# Altium PCB LimeSDR-X3_1v2.PcbDoc (part 12 of 25)
Units mm, origin at the board's own origin, x right, y up, seen from the top; angles counter-clockwise.
Board outline 232.5 x 111.15 mm, 12 copper layers (Top, L2, L3, L4, L5, L6, L7, L8, L9, L10, L11, Bottom), stack 1.596 mm thick; 2084 components, 1388 nets, 8919 pads, 3667 vias.
Unrouted connection lines stored in the file: 1.
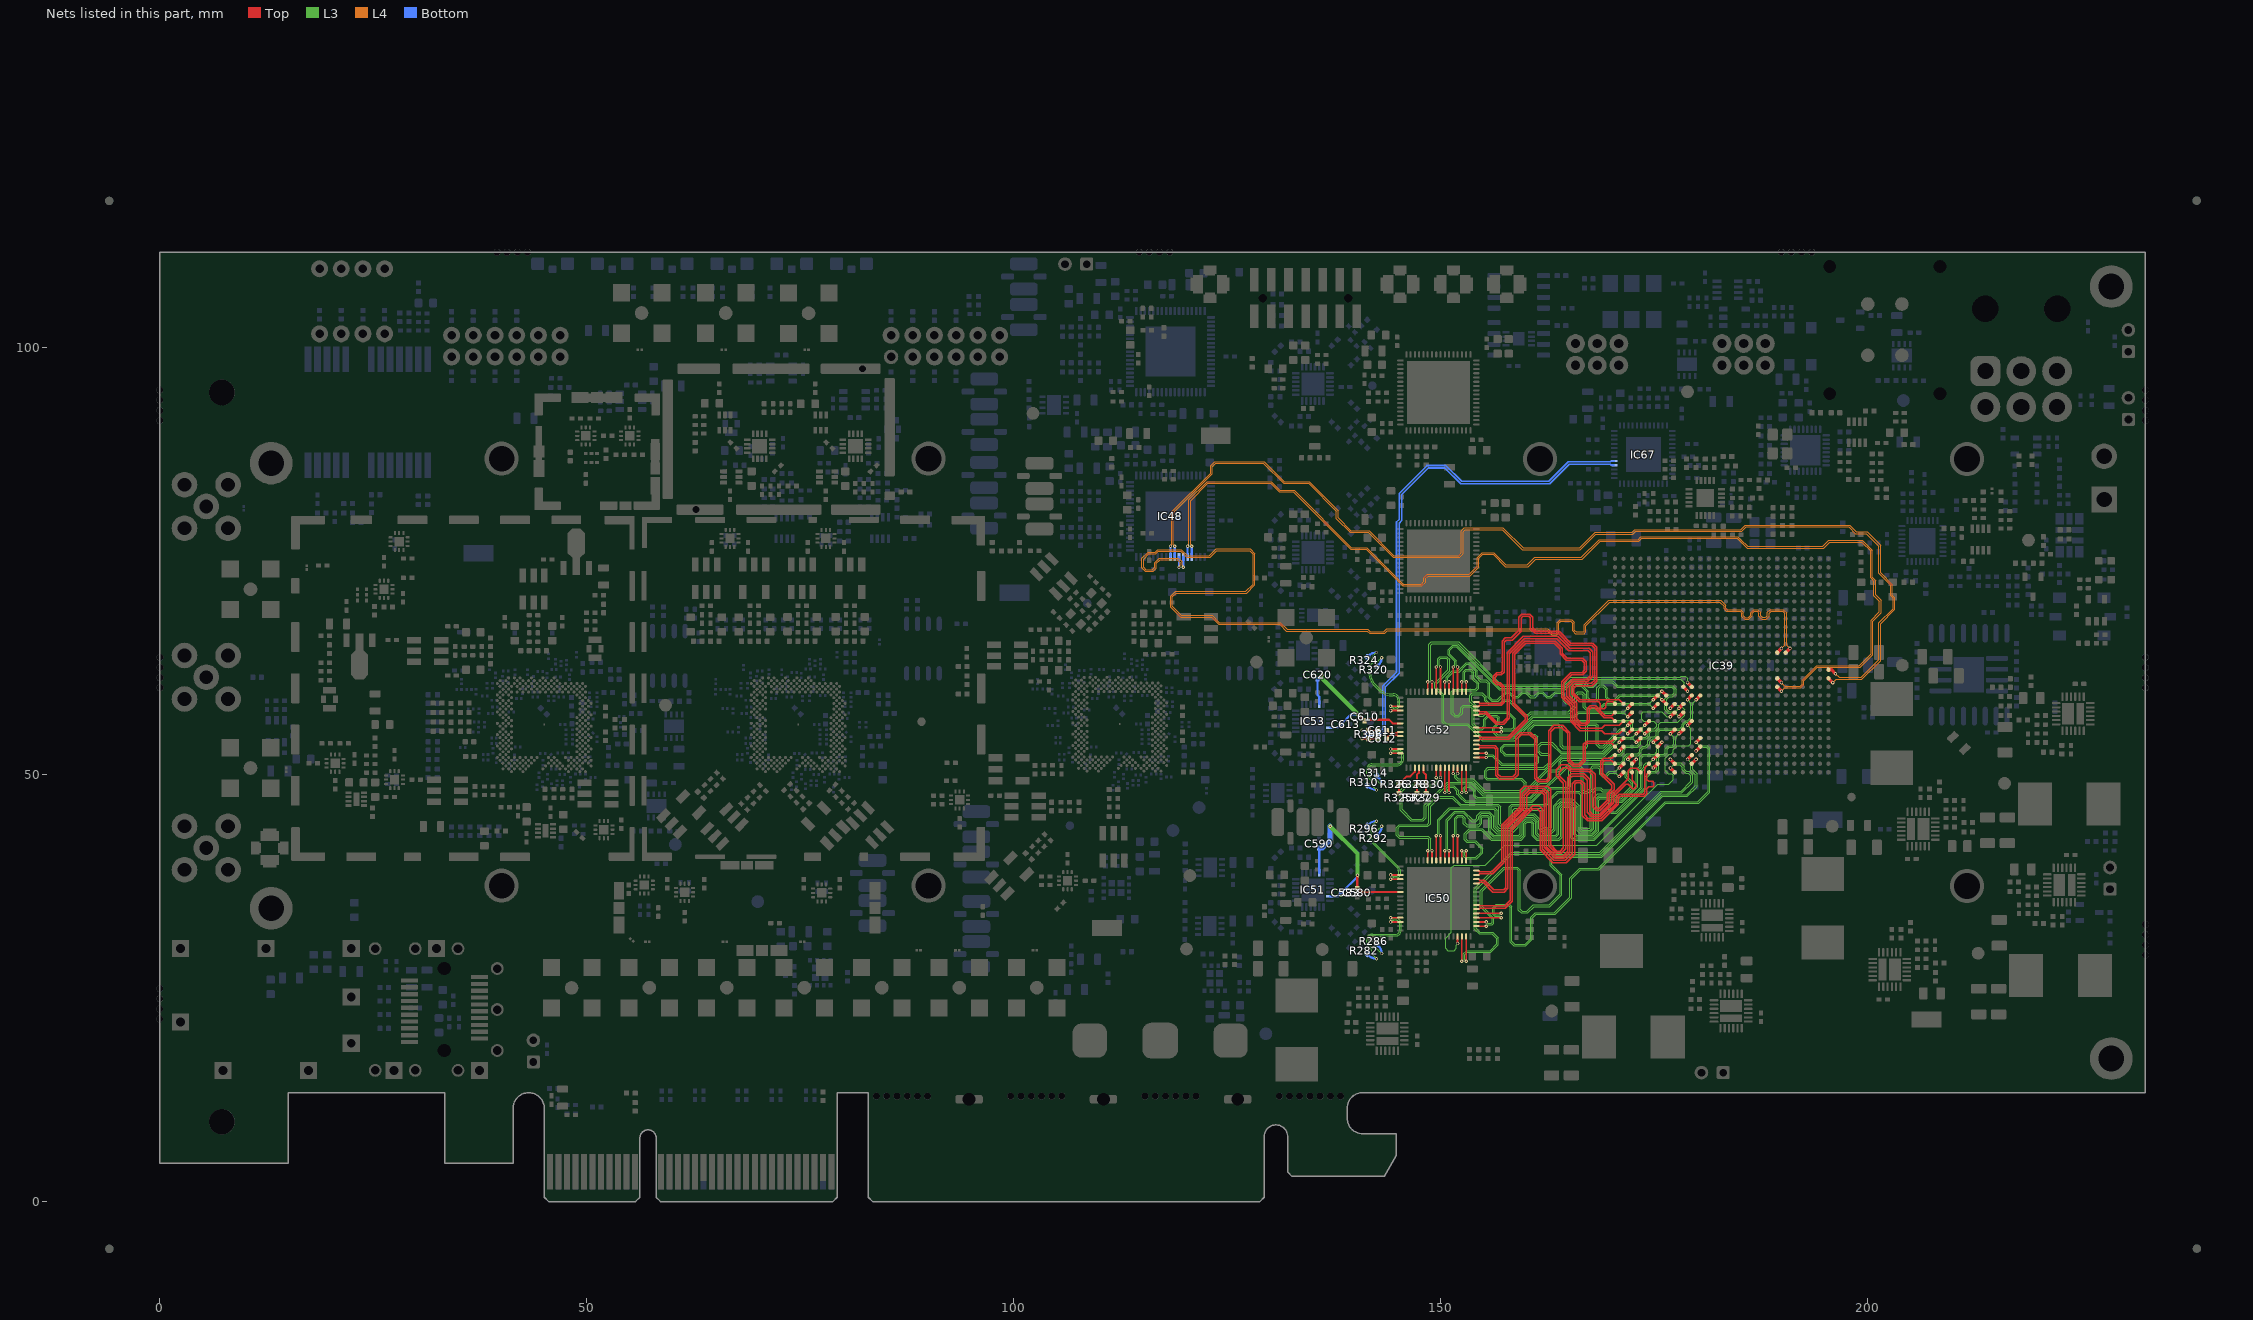
[diagram p22: the nets of this part, all layers, seen from the top]

## Via types
v1: diameter 0.4, hole 0.2, Top to Bottom, tented both sides, 3084 vias
v2: diameter 0.35, hole 0.2, Top to Bottom, tented both sides, 272 vias
v3: diameter 0.5, hole 0.2, Top to Bottom, tented bottom, 196 vias
v4: diameter 0.5, hole 0.2, Top to Bottom, tented both sides, 102 vias
v5: diameter 0.8, hole 0.4, Top to Bottom, tented both sides, 12 vias
v6: diameter 0.6, hole 0.3, Top to Bottom, tented both sides, 1 vias

## Nets (pads, with @x,y where several pads share a name; then routed paths per layer and width w, separated by ;. In a path a pad name is that pad's centre, name@x,y a point inside that pad or via, vN(x,y) a via of type N, cw(c..) or ccw(c..) an arc to the next point about the centre after c; other vN are vias at no path point) (continued)
LMS2_BB_ADC1_DA2_P: IC39.G17 IC50.45 | length 53
  Top w0.2: v1(151.95,30.225) IC50.45@151.95,31.05
  Top w0.4: v1(178.875,55.775) IC39.G17@179.375,56.275
  L3 w0.1: v1(151.95,30.225) 151.95,30.196 151.8,30.046 151.8,29.642 151.558,29.4 150.792,29.4 150.55,29.642 150.55,30.858 151.225,31.533 151.225,39.075 151.55,39.4 155.166,39.4 157.466,41.7 168.242,41.7 175.392,48.85 176.7,48.85 177.225,49.375 177.225,49.92 177.02,50.125 176.592,50.125 176.25,50.467 176.25,51.928 176.724,52.401 176.996,52.401 177.225,52.63 177.225,52.903 177.697,53.375 179.025,53.375 179.275,53.625 179.275,55.375 v1(178.875,55.775)
LMS2_BB_ADC1_DA3_N: IC39.A19 IC50.46 | length 51.9
  Top w0.2: v1(152.45,28.15) IC50.46@152.45,31.05
  Top w0.4: v1(176.875,50.775) IC39.A19@177.375,50.275
  L3 w0.1: v1(152.45,28.15) 152.45,28.179 152.6,28.329 152.6,29.008 152.992,29.4 155.75,29.4 156.525,30.175 156.525,30.792 155.967,31.35 154.475,31.35 153.925,31.9 153.925,36.608 158.217,40.9 168.595,40.9 175.745,48.05 178.125,48.05 179.275,49.2 179.275,49.875 178.975,50.175 178.65,50.175 178.275,50.55 178.275,50.875 177.975,51.175 177.275,51.175 v1(176.875,50.775)
LMS2_BB_ADC1_DA3_P: IC39.B19 IC50.47 | length 52.2
  Top w0.2: v1(152.95,28.15) IC50.47@152.95,31.05
  Top w0.4: v1(176.875,51.775) IC39.B19@177.375,51.275
  L3 w0.1: v1(152.95,28.15) 152.95,28.179 152.8,28.329 152.8,28.925 153.075,29.2 155.833,29.2 156.725,30.092 156.725,30.875 156.05,31.55 154.558,31.55 154.125,31.983 154.125,36.525 158.3,40.7 168.678,40.7 175.828,47.85 178.208,47.85 179.475,49.117 179.475,49.958 179.058,50.375 178.733,50.375 178.475,50.633 178.475,50.958 178.058,51.375 177.275,51.375 v1(176.875,51.775)
LMS2_BB_ADC1_DA4_N: IC39.B17 IC50.50 | length 52
  Top w0.2: IC50.50@154.15,32.25 v1(155.3,32.25)
  Top w0.4: IC39.B17@179.375,51.275 v1(179.875,51.775)
  L3 w0.1: v1(155.3,32.25) 155.329,32.25 155.479,32.4 155.983,32.4 156.2,32.617 156.2,33.208 154.825,34.583 154.825,36.325 157.45,38.95 158.85,38.95 159.075,38.725 159.075,34.142 159.417,33.8 160.158,33.8 160.908,34.55 162.758,34.55 164.15,35.942 164.15,38.283 163,39.433 163,40.025 163.275,40.3 168.844,40.3 175.994,47.45 178.858,47.45 180,48.592 180,50.083 179.475,50.608 179.475,51.375 v1(179.875,51.775)
LMS2_BB_ADC1_DA4_P: IC39.C17 IC50.51 | length 51.6
  Top w0.2: IC50.51@154.15,32.75 v1(155.3,32.75)
  Top w0.4: v1(178.875,51.775) IC39.C17@179.375,52.275
  L3 w0.1: v1(155.3,32.75) 155.329,32.75 155.479,32.6 155.9,32.6 156,32.7 156,33.125 155.225,33.9 154.625,34.5 154.625,36.408 157.367,39.15 158.933,39.15 159.275,38.808 159.275,34.225 159.5,34 160.075,34 160.825,34.75 162.675,34.75 163.95,36.025 163.95,38.2 162.8,39.35 162.8,40.108 163.192,40.5 168.761,40.5 175.911,47.65 178.775,47.65 179.8,48.675 179.8,50 179.275,50.525 179.275,51.375 v1(178.875,51.775)
LMS2_BB_ADC1_DA5_N: IC39.D16 IC50.52 | length 52
  Top w0.2: IC50.52@154.15,33.25 v1(157.05,33.25)
  Top w0.4: v1(179.875,52.775) IC39.D16@180.375,53.275
  L3 w0.1: v1(157.05,33.25) 157.021,33.25 156.871,33.4 156.3,33.4 156.05,33.65 156.05,34.3 156.05,34.408 156.467,34.825 158.033,34.825 158.317,34.541 158.317,30.458 158.625,30.15 159.85,30.15 160.5,30.8 160.5,33.275 161.05,33.825 163.275,33.825 165.1,35.65 165.1,37.883 166.258,39.041 168.433,39.041 176.242,46.85 180.1,46.85 181.275,48.025 181.275,52.975 181.075,53.175 180.275,53.175 v1(179.875,52.775)
LMS2_BB_ADC1_DA5_P: IC39.E16 IC50.53 | length 52
  Top w0.2: IC50.53@154.15,33.75 v1(157.05,33.75)
  Top w0.4: v1(179.875,53.775) IC39.E16@180.375,54.275
  L3 w0.1: v1(157.05,33.75) 157.021,33.75 156.871,33.6 156.383,33.6 156.25,33.733 156.25,34.325 156.55,34.625 157.95,34.625 158.117,34.458 158.117,30.375 158.542,29.95 159.933,29.95 160.7,30.717 160.7,33.192 161.133,33.625 163.358,33.625 165.3,35.567 165.3,37.8 166.341,38.841 168.516,38.841 176.325,46.65 180.183,46.65 181.475,47.942 181.475,53.058 181.416,53.116 181.158,53.375 180.275,53.375 v1(179.875,53.775)
LMS2_BB_ADC1_DA6_N: IC39.A22 IC50.54 | length 53.1
  Top w0.15: IC50.54@154.15,34.25 154.413,34.25 154.538,34.375 157.554,34.375 158.35,35.171 158.35,43.55 160.775,45.975 161.3,45.975 161.6,45.675 161.6,41.196 163.096,39.7 164.654,39.7 165.65,40.696 165.65,48.85 165.85,49.05 166.325,49.05 166.575,48.8 166.575,45.196 167.171,44.6 167.18,44.6 167.205,44.575 168.825,44.575 170.75,46.5 170.75,47.2 171,47.45 173.795,47.45 174.125,47.78 174.125,48.35 174.325,48.55 174.775,48.55 174.925,48.7 174.925,49.05 174.775,49.2 174.325,49.2 174.125,49.4 174.125,50.012 174.375,50.262 IC39.A22@174.375,50.275
LMS2_BB_ADC1_DA6_P: IC39.B22 IC50.55 | length 52.8
  Top w0.15: IC50.55@154.15,34.75 154.413,34.75 154.538,34.625 157.45,34.625 158.1,35.275 158.1,43.654 160.771,46.325 161.516,46.325 161.85,45.991 161.85,41.3 163.2,39.95 164.55,39.95 165.4,40.8 165.4,48.954 165.746,49.3 166.429,49.3 166.825,48.904 166.825,45.3 167.275,44.85 167.284,44.85 167.309,44.825 168.721,44.825 170.5,46.604 170.5,47.304 170.896,47.7 173.691,47.7 173.875,47.884 173.875,50.775 IC39.B22@174.375,51.275
LMS2_BB_ADC1_DB0_N: IC39.A24 IC50.60 | length 53.4
  Top w0.15: IC50.60@154.15,37.25 154.413,37.25 154.538,37.375 154.95,37.375 156.075,36.25 157.429,36.25 157.85,36.671 157.85,43.757 160.025,45.932 160.025,47.5 160.375,47.85 161.875,47.85 162.1,47.625 162.1,41.471 163.371,40.2 164.379,40.2 165.1,40.921 165.1,49.55 165.373,49.823 166.677,49.823 167.15,49.35 167.15,45.582 167.657,45.075 168.618,45.075 170.225,46.682 170.225,47.471 171.633,48.879 171.915,48.879 172.434,48.361 172.646,48.361 172.893,48.608 172.893,48.82 172.375,49.339 IC39.A24@172.375,50.275
LMS2_BB_ADC1_DB0_P: IC39.A23 IC50.61 | length 53
  Top w0.15: IC50.61@154.15,37.75 154.413,37.75 154.538,37.625 155.054,37.625 156.179,36.5 157.325,36.5 157.6,36.775 157.6,43.861 159.775,46.036 159.775,47.604 160.271,48.1 161.979,48.1 162.35,47.729 162.35,41.575 163.475,40.45 164.275,40.45 164.85,41.025 164.85,49.654 165.27,50.073 166.78,50.073 167.4,49.454 167.4,45.686 167.761,45.325 168.514,45.325 169.975,46.786 169.975,47.575 171.925,49.525 171.925,50.426 172.224,50.725 172.925,50.725 IC39.A23@173.375,50.275
LMS2_BB_ADC1_DB1_N: IC39.B26 IC50.62 | length 52.2
  Top w0.15: IC50.62@154.15,38.25 154.413,38.25 154.538,38.375 156.075,38.375 157.35,39.65 157.35,43.964 159.525,46.139 159.525,47.75 160.175,48.4 162.05,48.4 162.6,47.85 162.6,41.679 163.479,40.8 164.096,40.8 164.6,41.304 164.6,49.091 163.85,49.841 163.85,50.3 164.35,50.8 164.811,50.8 165.211,50.4 167.321,50.4 167.8,49.921 167.8,46.225 168.25,45.775 168.611,45.775 169.725,46.889 169.725,47.679 170.275,48.229 170.275,48.845 168.975,50.145 168.975,51.475 169.15,51.65 170,51.65 IC39.B26@170.375,51.275
LMS2_BB_ADC1_DB1_P: IC39.C26 IC50.63 | length 52.9
  Top w0.15: IC50.63@154.15,38.75 154.413,38.75 154.538,38.625 155.925,38.625 157.1,39.8 157.1,44.068 159.275,46.243 159.275,48.154 159.771,48.65 162.479,48.65 162.85,48.279 162.85,41.782 163.582,41.05 163.993,41.05 164.35,41.407 164.35,48.987 163.475,49.862 163.475,50.554 164.096,51.175 164.79,51.175 165.315,50.65 166.796,50.65 167.425,50.65 168.05,50.025 168.05,46.329 168.354,46.025 168.507,46.025 169.475,46.993 169.475,47.782 170.025,48.332 170.025,48.741 168.725,50.041 168.725,51.579 169.046,51.9 170,51.9 IC39.C26@170.375,52.275
LMS2_BB_ADC1_DB2_N: IC39.F19 IC50.2 | length 51.7
  Top w0.2: IC50.2@152.95,39.95 v1(152.95,41.1)
  Top w0.4: v1(176.875,54.775) IC39.F19@177.375,55.275
  L3 w0.1: v1(152.95,41.1) 152.95,41.071 152.8,40.921 152.8,40.55 153.025,40.325 154.092,40.325 154.7,40.933 154.7,41.317 153.967,42.05 153.05,42.05 152.75,42.35 152.75,43.1 153.325,43.675 154.825,43.675 156,42.5 159.292,42.5 159.7,42.908 159.7,44.325 160,44.625 160.575,44.625 160.875,44.325 160.875,42.925 161.3,42.5 163.742,42.5 164,42.758 164,46.034 164.329,46.363 165.02,46.363 165.375,46.008 165.375,42.7 165.575,42.5 167.893,42.5 173.869,48.477 173.869,49.677 174.592,50.4 175.075,50.4 175.275,50.6 175.275,52.033 175.642,52.4 176.1,52.4 176.275,52.575 176.275,53.033 176.642,53.4 177.075,53.4 177.275,53.6 177.275,54.375 v1(176.875,54.775)
LMS2_BB_ADC1_DB2_P: IC39.F18 IC50.3 | length 52.4
  Top w0.2: IC50.3@152.45,39.95 v1(152.45,41.1)
  Top w0.4: v1(177.875,54.775) IC39.F18@178.375,55.275
  L3 w0.1: v1(152.45,41.1) 152.45,41.071 152.6,40.921 152.6,40.699 152.6,40.467 152.942,40.125 154.175,40.125 154.9,40.85 154.9,41.4 154.05,42.25 153.133,42.25 152.95,42.433 152.95,43.017 153.408,43.475 154.742,43.475 155.917,42.3 159.375,42.3 159.9,42.825 159.9,44.242 160.083,44.425 160.492,44.425 160.675,44.242 160.675,42.842 161.217,42.3 163.825,42.3 164.2,42.675 164.2,45.951 164.412,46.163 164.937,46.163 165.175,45.925 165.175,42.617 165.492,42.3 165.909,42.3 167.976,42.3 174.069,48.394 174.069,49.594 174.675,50.2 175.158,50.2 175.475,50.517 175.475,51.95 175.725,52.2 176.183,52.2 176.475,52.492 176.475,52.95 176.725,53.2 177.158,53.2 177.475,53.517 177.475,54.375 v1(177.875,54.775)
LMS2_BB_ADC1_DB3_N: IC39.B21 IC50.4 | length 51.9
  Top w0.2: IC50.4@151.95,39.95 v1(151.95,42.85)
  Top w0.4: v1(174.875,50.775) IC39.B21@175.375,51.275
  L3 w0.1: v1(151.95,42.85) 151.95,42.879 151.8,43.029 151.8,44.825 152.025,45.05 152.407,45.05 152.625,44.832 152.625,44.267 152.992,43.9 154.408,43.9 154.8,44.292 154.8,44.925 154.925,45.05 155.425,45.05 155.575,44.9 155.575,43.242 156.117,42.7 159.209,42.7 159.5,42.991 159.5,44.408 159.917,44.825 160.658,44.825 161.075,44.408 161.075,43.042 161.417,42.7 163.51,42.7 163.8,42.99 163.8,46.117 164.246,46.563 165.102,46.563 165.575,46.091 165.575,42.942 165.817,42.7 167.81,42.7 168.5,43.39 168.5,47.025 168.625,47.15 169.475,47.15 169.625,47 169.625,45.742 169.917,45.45 170.56,45.45 173.575,48.465 173.575,50.401 173.975,50.801 173.975,51.017 174.133,51.175 174.475,51.175 v1(174.875,50.775)
LMS2_BB_ADC1_DB3_P: IC39.C21 IC50.5 | length 52.2
  Top w0.2: IC50.5@151.45,39.95 v1(151.45,42.85)
  Top w0.4: v1(174.875,51.775) IC39.C21@175.375,52.275
  L3 w0.1: v1(151.45,42.85) 151.45,42.879 151.6,43.029 151.6,43.334 151.6,44.908 151.942,45.25 152.49,45.25 152.825,44.915 152.825,44.35 153.075,44.1 154.325,44.1 154.6,44.375 154.6,45.008 154.842,45.25 155.508,45.25 155.775,44.983 155.775,43.325 156.2,42.9 159.126,42.9 159.3,43.074 159.3,44.491 159.834,45.025 160.741,45.025 161.275,44.491 161.275,43.125 161.5,42.9 163.427,42.9 163.6,43.073 163.6,46.2 164.163,46.763 165.185,46.763 165.775,46.174 165.775,43.025 165.9,42.9 167.727,42.9 168.3,43.473 168.3,47.108 168.542,47.35 169.558,47.35 169.825,47.083 169.825,45.825 170,45.65 170.477,45.65 173.375,48.548 173.375,50.484 173.775,50.884 173.775,51.1 174.05,51.375 174.475,51.375 v1(174.875,51.775)
LMS2_BB_ADC1_DB4_N: IC39.D21 IC50.6 | length 52.2
  Top w0.2: IC50.6@150.95,39.95 v1(150.95,41.1)
  Top w0.4: IC39.D21@175.375,53.275 v1(175.875,53.775)
  L3 w0.1: v1(150.95,41.1) 150.95,41.129 150.8,41.279 150.8,44.625 151.7,45.525 152.6,45.525 153.625,44.5 154.075,44.5 154.4,44.825 154.4,45.091 154.759,45.45 155.591,45.45 155.975,45.066 155.975,43.675 156.55,43.1 158.275,43.1 159.025,43.85 159.025,44.499 159.751,45.225 160.824,45.225 161.475,44.574 161.475,43.65 162.025,43.1 162.933,43.1 163.4,43.567 163.4,46.283 164.08,46.963 165.268,46.963 165.975,46.256 165.975,43.442 166.317,43.1 167.644,43.1 168.1,43.556 168.1,47.191 168.459,47.55 169.641,47.55 170.441,46.75 171.258,46.75 173.061,48.553 173.061,50.453 173.475,50.867 173.475,51.517 173.475,51.942 173.733,52.2 174.983,52.2 175.108,52.2 175.475,52.567 175.475,53.375 v1(175.875,53.775)
LMS2_BB_ADC1_DB4_P: IC39.E21 IC50.7 | length 52.2
  Top w0.2: IC50.7@150.45,39.95 v1(150.45,41.1)
  Top w0.4: v1(174.875,53.775) IC39.E21@175.375,54.275
  L3 w0.1: v1(150.45,41.1) 150.45,41.129 150.6,41.279 150.6,41.584 150.6,44.708 151.617,45.725 152.683,45.725 153.708,44.7 153.992,44.7 154.2,44.908 154.2,45.174 154.676,45.65 155.674,45.65 156.175,45.149 156.175,43.758 156.633,43.3 158.192,43.3 158.825,43.933 158.825,44.581 159.669,45.425 160.906,45.425 161.675,44.656 161.675,43.733 162.108,43.3 162.85,43.3 163.2,43.65 163.2,46.366 163.998,47.163 165.351,47.163 166.175,46.339 166.175,43.525 166.4,43.3 167.562,43.3 167.9,43.638 167.9,47.274 168.376,47.75 169.724,47.75 170.524,46.95 171.175,46.95 172.861,48.636 172.861,50.536 173.275,50.95 173.275,52.025 173.65,52.4 175.025,52.4 175.275,52.65 175.275,53.375 v1(174.875,53.775)
LMS2_BB_ADC1_DB5_N: IC39.B24 IC50.8 | length 51.9
  Top w0.2: IC50.8@149.95,39.95 v1(149.95,42.85)
  Top w0.4: IC39.B24@172.375,51.275 v1(172.875,51.775)
  L3 w0.1: v1(149.95,42.85) 149.95,42.879 149.8,43.029 149.8,44.65 151.075,45.925 156.2,45.925 156.375,45.75 156.375,43.867 156.742,43.5 158.109,43.5 158.625,44.016 158.625,45.725 158.75,45.85 161.675,45.85 161.875,45.65 161.875,43.892 162.217,43.55 162.733,43.55 163,43.817 163,47.15 163.725,47.875 166.1,47.875 166.375,47.6 166.375,43.676 166.551,43.5 167.479,43.5 167.7,43.721 167.7,47.775 168.175,48.25 168.642,48.25 168.892,48 169.756,48 170.606,47.15 171.092,47.15 172.475,48.533 172.475,49.083 171.775,49.783 171.775,49.967 172.475,50.667 172.475,51.375 v1(172.875,51.775)
LMS2_BB_ADC1_DB5_P: IC39.C24 IC50.9 | length 51.9
  Top w0.2: IC50.9@149.45,39.95 v1(149.45,42.85)
  Top w0.4: v1(171.875,51.775) IC39.C24@172.375,52.275
  L3 w0.1: v1(149.45,42.85) 149.45,42.879 149.6,43.029 149.6,43.251 149.6,44.733 150.992,46.125 156.283,46.125 156.575,45.833 156.575,43.95 156.825,43.7 158.026,43.7 158.425,44.099 158.425,45.808 158.667,46.05 161.758,46.05 162.075,45.733 162.075,43.975 162.3,43.75 162.65,43.75 162.8,43.9 162.8,47.233 163.642,48.075 166.183,48.075 166.575,47.683 166.575,43.759 166.634,43.7 167.396,43.7 167.5,43.804 167.5,47.858 168.092,48.45 168.725,48.45 168.975,48.2 169.839,48.2 170.689,47.35 171.009,47.35 172.275,48.616 172.275,49 171.575,49.7 171.575,50.05 172.275,50.75 172.275,51.375 v1(171.875,51.775)
LMS2_BB_ADC1_DB6_N: IC39.A25 IC50.10 | length 51.6
  Top w0.2: IC50.10@148.95,39.95 v1(148.95,41.1)
  Top w0.4: v1@170.875,49.775 IC39.A25@171.375,50.275
  L3 w0.1: v1(148.95,41.1) 148.95,41.129 148.8,41.279 148.8,42.508 148.533,42.775 145.175,42.775 144.975,42.975 144.975,43.7 145.2,43.925 148.471,43.925 148.8,44.254 148.8,46.3 149.75,47.25 151.325,47.25 152.25,46.325 156.6,46.325 156.775,46.15 156.775,44.167 157.042,43.9 157.933,43.9 158.225,44.192 158.225,46.15 158.4,46.325 162.308,46.325 162.575,46.592 162.575,48.051 162.849,48.325 164.883,48.325 165.175,48.617 165.175,50.625 165.366,50.816 166.25,50.816 166.45,50.616 166.45,48.092 166.717,47.825 167.183,47.825 167.725,48.367 167.725,50.675 167.866,50.816 168.384,50.816 168.575,50.625 168.575,50.067 168.867,49.775 169.38,49.775 169.78,50.175 170.475,50.175 v1(170.875,49.775)
LMS2_BB_ADC1_DB6_P: IC39.B25 IC50.11 | length 52
  Top w0.2: IC50.11@148.45,39.95 v1(148.45,41.1)
  Top w0.4: v1(170.875,50.775) IC39.B25@171.375,51.275
  L3 w0.1: v1(148.45,41.1) 148.45,41.129 148.6,41.279 148.6,41.39 148.6,42.425 148.45,42.575 145.092,42.575 144.775,42.892 144.775,43.783 145.117,44.125 148.389,44.125 148.6,44.336 148.6,46.383 149.667,47.45 151.408,47.45 152.333,46.525 156.683,46.525 156.975,46.233 156.975,44.25 157.125,44.1 157.85,44.1 158.025,44.275 158.025,46.233 158.317,46.525 162.225,46.525 162.375,46.675 162.375,48.134 162.766,48.525 164.8,48.525 164.975,48.7 164.975,50.708 165.284,51.016 166.333,51.016 166.65,50.699 166.65,48.175 166.8,48.025 167.1,48.025 167.525,48.45 167.525,50.758 167.784,51.016 168.466,51.016 168.775,50.708 168.775,50.15 168.95,49.975 169.297,49.975 169.697,50.375 170.475,50.375 v1(170.875,50.775)
LMS2_BB_ADC1_INA_N: IC50.30 R282.1 | length 11.5
  Top w0.2: v1(144.1,32.75) IC50.30@145.25,32.75
  L3 w0.1: v1(142.45,28.45) 142.075,28.825 cw(c142.437,29.187) 141.925,29.187 ccw(c141.33,29.187) 141.751,29.608 141.531,29.828 cw(c142.027,30.324) 141.325,30.324 141.325,30.65 cw(c142,30.65) 142,31.325 144.725,31.325 ccw(c144.725,31.75) 145.15,31.75 145.15,32.55 ccw(c144.8,32.55) 144.8,32.9 144.462,32.9 ccw(c144.462,32.529) 144.2,32.791 cw(c144.1,32.891) v1(144.1,32.75)
  Bottom w0.254: R282.1@141.372,28.997 141.543,28.826 ccw(c142.45,29.733) v1(142.45,28.45)
LMS2_BB_ADC1_INA_P: IC50.29 R286.1 | length 11.7
  Top w0.2: v1(144.1,33.25) IC50.29@145.25,33.25
  L3 w0.1: v1(143.05,29.05) 142.675,29.425 ccw(c142.313,29.063) 142.313,29.575 cw(c142.313,30.17) 141.892,29.749 141.672,29.969 cw(c142.029,30.325) 141.525,30.325 141.525,30.65 cw(c142,30.65) 142,31.125 144.725,31.125 ccw(c144.725,31.75) 145.35,31.75 145.35,32.551 ccw(c144.801,32.551) 144.801,33.1 144.462,33.1 cw(c144.462,33.471) 144.2,33.209 ccw(c144.1,33.109) v1(144.1,33.25)
  Bottom w0.254: R286.1@142.503,30.128 142.674,29.957 cw(c141.767,29.05) v1(143.05,29.05)
LMS2_BB_ADC1_INB_N: IC50.20 R292.1 | length 11.6
  Top w0.2: v1(144.1,37.75) IC50.20@145.25,37.75
  L3 w0.1: v1(143.05,43.95) 142.675,43.575 cw(c142.313,43.937) 142.313,43.425 ccw(c142.313,42.83) 141.892,43.251 ccw(c142.175,42.968) 141.775,42.968 141.775,42.817 ccw(c142.642,42.817) 142.029,42.204 145.067,39.166 cw(c144.565,38.664) 145.275,38.664 145.275,38.425 cw(c144.75,38.425) 144.75,37.9 144.462,37.9 ccw(c144.462,37.529) 144.2,37.791 cw(c144.1,37.891) v1(144.1,37.75)
  Bottom w0.254: R292.1@142.503,42.872 142.674,43.043 ccw(c141.767,43.95) v1(143.05,43.95)
LMS2_BB_ADC1_INB_P: IC50.19 R296.1 | length 11.4
  Top w0.2: v1(144.1,38.25) IC50.19@145.25,38.25
  L3 w0.1: v1(142.45,44.55) 142.075,44.175 ccw(c142.437,43.813) 141.925,43.813 cw(c141.33,43.813) 141.751,43.392 141.75,43.391 ccw(c142.171,42.97) 141.575,42.97 141.575,42.816 ccw(c142.64,42.816) 141.886,42.064 ccw(c142.64,42.816) 141.887,42.063 144.925,39.025 cw(c144.563,38.663) 145.075,38.663 145.075,38.425 cw(c144.75,38.425) 144.75,38.1 144.462,38.1 cw(c144.462,38.471) 144.2,38.209 ccw(c144.1,38.109) v1(144.1,38.25)
  Bottom w0.254: R296.1@141.372,44.003 141.543,44.174 cw(c142.45,43.267) v1(142.45,44.55)
LMS2_BB_ADC1_VCM: C580.2 C583.1 C590.1 IC50.23 IC51.11 IC51.17 | length 24.3
  Top w0.24: C580.2@140.2,36.675 v1@140.2,38.204 ; C580.2@140.225,36.675 140.65,36.25 IC50.23@145.25,36.25
  L3 w0.5: v1(137.025,43.95) 140.224,40.751 v1(140.224,38.228)
  Bottom w0.254: IC51.11@135.75,38.5 135.75,41.304 cw(c135.921,41.304) C590.1@135.8,41.425 ; IC51.17@137,35.75 137.925,35.75 C583.1@138.325,36.15 140.224,38.049 v1(140.224,38.228)
  Bottom w0.6: C590.1@135.814,41.425 136.125,41.425 137.025,42.325 v1(137.025,43.95)
LMS2_BB_ADC2_CLK_N: C612.2 IC67.28 R306.1 | length 61.3
  Top w0.2: v1(140.752,54.202) R306.1@141.534,54.202 C612.2@142.634,54.202
  Bottom w0.2: v1(140.752,54.202) 140.806,54.202 140.906,54.302 140.917,54.302 141.167,54.552 142.801,54.552 143.475,55.226 143.475,60.25 145.1,61.875 145.1,79.451 145.4,79.751 145.4,82.8 148.5,85.9 150.451,85.9 152.301,84.05 162.75,84.05 165.025,86.325 169.812,86.325 169.887,86.25 170.275,86.25 IC67.28@170.3,86.225
LMS2_BB_ADC2_CLK_P: C611.2 IC67.29 R306.2 | length 61.3
  Top w0.2: v1(140.752,55.202) R306.2@141.534,55.202 C611.2@142.634,55.202
  Bottom w0.2: v1(140.752,55.202) 140.806,55.202 140.906,55.102 140.917,55.102 141.167,54.852 142.677,54.852 143.175,55.35 143.175,60.374 144.8,61.999 144.8,79.575 145.1,79.875 145.1,82.924 148.376,86.2 150.575,86.2 152.425,84.35 162.626,84.35 164.901,86.625 169.812,86.625 169.887,86.7 170.275,86.7 IC67.29@170.3,86.725
LMS2_BB_ADC2_CLKC_N: C612.1 IC52.26 | length 1.8
  Top w0.2: C612.1@143.634,54.25 143.822,54.438 ccw(c143.794,54.466) 143.834,54.466 cw(c143.873,54.466) 143.845,54.494 cw(c144.1,54.24) 144.1,54.6 144.625,54.6 144.813,54.6 cw(c144.813,54.429) 144.934,54.55 ccw(c145.055,54.671) 145.055,54.5 IC52.26@145.25,54.5
LMS2_BB_ADC2_CLKC_P: C611.1 IC52.25 | length 1.8
  Top w0.2: C611.1@143.634,55.25 143.822,55.062 cw(c143.794,55.034) 143.834,55.034 ccw(c143.873,55.034) 143.845,55.006 ccw(c144.1,55.26) 144.1,54.9 144.813,54.9 ccw(c144.813,55.071) 144.934,54.95 cw(c145.055,54.829) 145.055,55 IC52.25@145.25,55
LMS2_BB_ADC2_CLKOUT_N: IC39.J21 IC52.56 | length 40.5
  Top w0.2: IC52.56@154.15,55 v1(157.05,55)
  Top w0.4: v1(174.875,57.775) IC39.J21@175.375,58.275